# Allegro board rt1064_brkout_new_mem_layout.brd (continued)
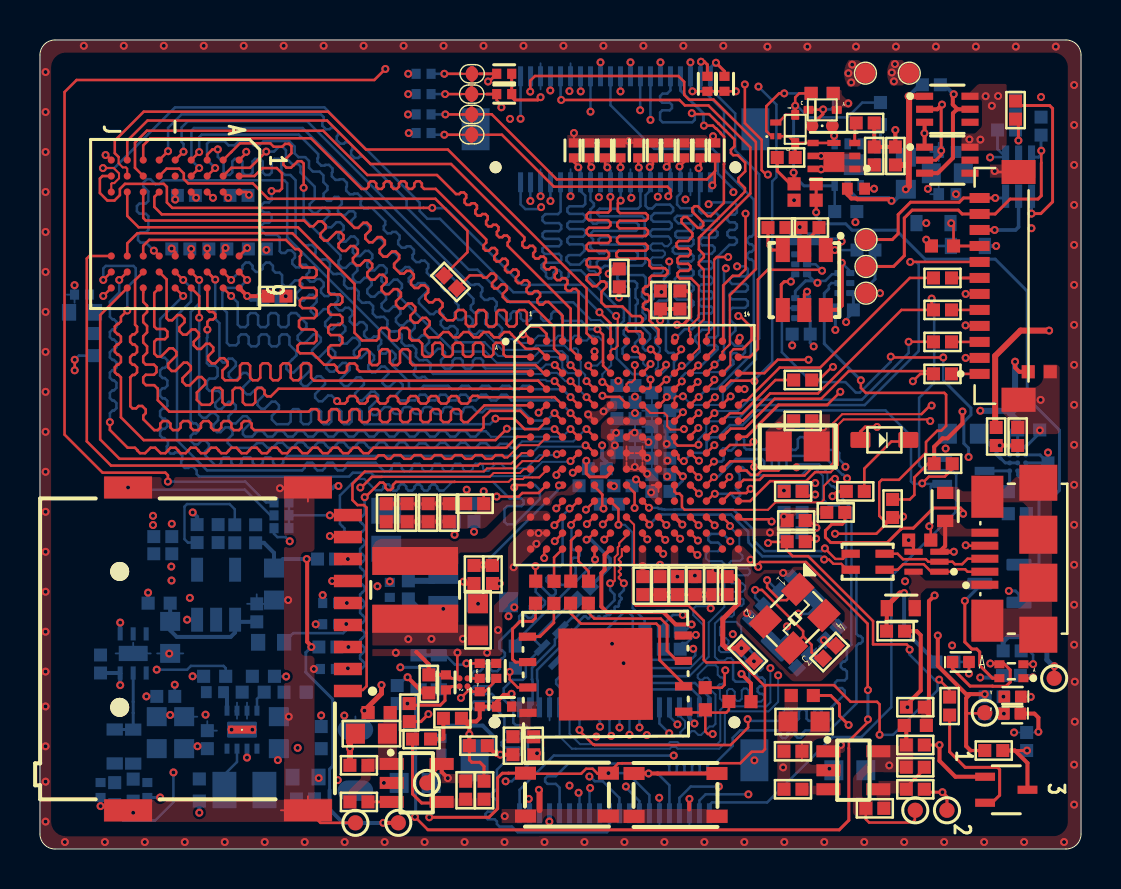
[diagram p0: board, top side]
## Routing (per net, layer and track width the routed paths; a pad name or vN(x,y) marks a point on that pad's centre or on a via; arc(x,y) is an arc through that point) (continued)
  BOTTOM w0.127: v1(14.87,22.41) 14.59,22.69 14.41,22.69 14.13,22.4 13.95,22.4 13.77,22.58 13.77,22.76 14.26,23.26 14.26,23.43 14.05,23.65 13.87,23.65 13.37,23.16 13.19,23.16 13.05,23.3 13.05,23.48 13.51,23.94 13.51,24.17 13.36,24.33 13.18,24.33 12.69,23.84 12.51,23.84 12.33,24.02 12.33,24.2 12.62,24.48 12.62,24.48 12.84,24.7 12.84,24.87 12.48,25.23 12.48,25.62 12.36,25.74 12.1,25.74 11.97,25.62 11.97,25.27 11.85,25.15 11.59,25.15 11.47,25.27 11.47,25.61 11.34,25.74 11.08,25.74 10.95,25.62 10.95,25.27 10.82,25.15 10.57,25.15 10.44,25.27 10.44,25.62 10.32,25.74 10.06,25.74 9.94,25.62 9.94,25.32 9.81,25.2 9.48,25.2 9.35,25.32 9.35,26.84 9.13,27.07 9.13,27.85 9.35,28.07 10.01,28.07 10.07,28.13 10.07,28.17 v1(10.37,28.47)
SEMC_D1: length 34.2
  TOP w0.127: U9.B9 v1(9.57,27.67) ; U7.F3 v1(25.75,21.81)
  BOTTOM w0.127: v1(9.57,27.67) 9.9,27.34 9.9,26.24 10.03,26.11 10.28,26.11 10.41,26.23 10.41,26.69 10.53,26.81 10.79,26.81 10.92,26.69 10.92,26.23 11.04,26.11 11.3,26.11 11.42,26.23 11.42,26.69 11.55,26.81 11.8,26.81 11.93,26.69 11.93,26.23 12.06,26.11 12.31,26.11 12.44,26.23 12.44,26.69 12.57,26.81 12.82,26.81 12.95,26.69 12.95,26.68 13.34,26.29 13.34,26.11 12.9,25.67 12.9,25.49 13.08,25.31 13.26,25.31 13.7,25.75 13.87,25.75 14.05,25.57 14.05,25.39 13.61,24.95 13.61,24.77 13.79,24.59 13.97,24.59 14.41,25.03 14.59,25.03 14.77,24.85 14.77,24.68 14.33,24.24 14.33,24.06 14.51,23.88 14.69,23.88 15.13,24.32 15.31,24.32 15.49,24.14 15.49,23.96 15.05,23.52 15.05,23.34 15.23,23.16 15.41,23.16 15.85,23.6 16.03,23.6 16.21,23.42 16.21,23.24 15.77,22.8 15.77,22.62 15.95,22.44 16.13,22.44 16.57,22.88 16.75,22.88 16.92,22.71 16.92,22.51 16.48,22.07 16.48,21.89 16.66,21.71 16.84,21.71 17.25,22.11 17.45,22.11 arc(17.58,22.06) 17.63,21.94 arc(17.68,21.82) 17.8,21.77 17.96,21.77 arc(18.08,21.82) 18.13,21.94 arc(18.19,22.06) 18.31,22.11 18.47,22.11 arc(18.59,22.06) 18.64,21.94 arc(18.69,21.82) 18.82,21.77 18.98,21.77 arc(19.1,21.82) 19.15,21.94 arc(19.2,22.06) 19.32,22.11 19.48,22.11 arc(19.61,22.06) 19.66,21.94 arc(19.71,21.82) 19.83,21.77 19.99,21.77 arc(20.12,21.82) 20.17,21.94 arc(20.22,22.06) 20.34,22.11 20.5,22.11 arc(20.62,22.06) 20.67,21.94 arc(20.73,21.82) 20.85,21.77 21.01,21.77 arc(21.13,21.82) 21.18,21.94 arc(21.23,22.06) 21.36,22.11 21.63,22.11 21.76,21.99 21.76,21.98 21.88,21.85 22.14,21.85 22.31,22.03 24.05,22.03 24.64,21.44 25.36,21.44 25.73,21.81 v1(25.75,21.81)
SEMC_D2: length 32.2
  TOP w0.127: U9.B8 v1(9.57,28.47) ; U7.F4 v1(26.55,21.81)
  BOTTOM w0.127: v1(9.57,28.47) 10.13,29.03 10.13,29.18 10.3,29.34 10.48,29.34 10.64,29.18 10.64,29.03 10.81,28.87 10.99,28.87 11.15,29.03 11.15,29.18 11.31,29.34 11.49,29.34 11.66,29.18 11.66,28.97 11.78,28.84 11.99,28.84 12.12,28.71 12.12,28.28 12.24,28.16 12.47,28.16 12.76,28.45 12.94,28.45 13.12,28.27 13.12,28.09 12.83,27.8 12.83,27.62 13.01,27.44 13.19,27.44 13.48,27.73 13.66,27.73 13.84,27.55 13.84,27.37 13.55,27.08 13.55,26.9 13.73,26.72 13.91,26.72 14.2,27.01 14.38,27.01 14.56,26.83 14.56,26.65 14.27,26.36 14.27,26.18 14.45,26 14.63,26 14.92,26.29 15.1,26.29 15.28,26.11 15.28,25.93 14.99,25.64 14.99,25.46 15.17,25.28 15.35,25.28 15.64,25.57 15.82,25.57 16,25.39 16,25.21 15.71,24.92 15.71,24.74 15.89,24.56 16.07,24.56 16.36,24.85 16.54,24.85 16.72,24.67 16.72,24.49 16.43,24.2 16.43,24.02 16.61,23.84 16.79,23.84 17.08,24.13 17.26,24.13 17.44,23.95 17.44,23.77 17.15,23.48 17.15,23.31 17.33,23.13 17.5,23.13 17.79,23.42 17.97,23.42 18.15,23.24 18.15,23.06 17.86,22.77 17.86,22.59 18.01,22.44 18.77,22.44 18.89,22.57 18.89,22.6 19.02,22.73 19.28,22.73 19.4,22.6 19.4,22.57 19.53,22.44 19.78,22.44 19.91,22.57 19.91,22.6 20.04,22.73 20.29,22.73 20.42,22.6 20.42,22.57 20.55,22.44 20.8,22.44 20.93,22.57 20.93,22.6 21.05,22.73 21.31,22.73 21.43,22.6 21.43,22.57 21.56,22.44 21.82,22.44 21.94,22.57 21.94,22.6 22.07,22.73 22.32,22.73 22.45,22.6 22.45,22.57 22.58,22.44 22.83,22.44 22.96,22.57 22.96,22.6 23.09,22.73 23.34,22.73 23.47,22.6 23.47,22.57 23.59,22.44 25.94,22.44 26.55,21.83 v1(26.55,21.81)
SEMC_D3: length 32.4
  TOP w0.127: U7.G4 v1(26.55,21.01) ; v1(8.38,25.98) 8.38,26.38 8.49,26.49 8.66,26.49 8.77,26.6 8.77,26.76 8.66,26.87 8.49,26.87 8.38,26.98 8.38,28.06 U9.C9
  BOTTOM w0.102: 26.53,21.01 26.15,20.62 22.57,20.62 22.43,20.76
  BOTTOM w0.127: v1(26.55,21.01) 26.53,21.01 ; 22.43,20.76 22.43,20.77 22.31,20.9 22.05,20.9 21.93,20.77 21.93,20.76 21.8,20.63 21.54,20.63 21.42,20.76 21.42,20.77 21.29,20.9 21.04,20.9 20.91,20.77 20.91,20.76 20.78,20.63 20.53,20.63 20.4,20.76 20.4,20.77 20.27,20.9 20.02,20.9 19.89,20.77 19.89,20.76 19.77,20.63 19.51,20.63 19.39,20.76 19.39,20.77 19.26,20.9 19,20.9 18.88,20.77 18.88,20.76 18.75,20.63 18.5,20.63 18.37,20.76 18.37,20.77 18.24,20.9 17.99,20.9 17.86,20.77 17.86,20.76 17.73,20.63 17.48,20.63 17.35,20.76 17.35,20.77 17.23,20.9 16.97,20.9 16.85,20.77 16.85,20.76 16.72,20.63 16.46,20.63 16.34,20.76 16.34,20.77 16.21,20.9 15.96,20.9 15.83,20.77 15.83,20.76 15.7,20.63 15.45,20.63 15.32,20.76 15.32,20.77 15.19,20.9 14.94,20.9 14.81,20.77 14.81,20.76 14.69,20.63 14.43,20.63 14.31,20.76 14.31,20.77 14.18,20.9 13.92,20.9 13.8,20.77 13.8,20.76 13.67,20.63 13.42,20.63 13.29,20.76 13.29,20.77 13.16,20.9 12.91,20.9 12.78,20.77 12.78,20.76 12.65,20.63 12.4,20.63 12.27,20.76 12.27,20.77 12.15,20.9 11.89,20.9 11.77,20.77 11.77,20.76 11.64,20.63 11.38,20.63 11.26,20.76 11.26,20.77 11.13,20.9 10.88,20.9 10.75,20.77 10.75,20.76 10.62,20.63 10.27,20.63 10.15,20.75 10.15,20.93 10.52,21.29 10.52,21.47 10.34,21.65 10.16,21.65 9.8,21.29 9.62,21.29 9.44,21.47 9.44,21.65 9.8,22.01 9.8,22.19 9.62,22.37 9.44,22.37 9.08,22.01 8.9,22.01 8.77,22.14 8.77,22.32 9.07,22.61 9.07,22.79 8.94,22.92 8.48,22.92 8.35,23.04 8.35,23.41 8.48,23.54 8.76,23.54 8.89,23.66 8.89,24.06 8.76,24.18 8.48,24.18 8.35,24.31 8.35,25.57 8.38,25.59 v1(8.38,25.98)
SEMC_D4: length 32.9
  TOP w0.127: v1(22.79,21.53) 23.73,21.53 24.25,21.01 24.95,21.01 U7.F2 ; 8.77,28.47 U9.C8 8.39,28.87 v1(8.77,28.49)
  BOTTOM w0.127: v1(22.79,21.53) 22.52,21.25 16.23,21.25 16.1,21.38 16.1,21.88 15.97,22.01 15.72,22.01 15.59,21.88 15.59,21.38 15.47,21.25 15.21,21.25 15.09,21.38 15.09,21.88 14.96,22.01 14.7,22.01 14.58,21.88 14.58,21.38 14.45,21.25 14.2,21.25 14.07,21.38 14.07,21.88 13.94,22.01 13.69,22.01 13.56,21.88 13.56,21.38 13.43,21.25 13.18,21.25 13.05,21.38 13.05,21.88 12.93,22.01 12.67,22.01 12.55,21.88 12.55,21.38 12.42,21.25 11.84,21.25 11.6,21.49 11.6,21.67 11.96,22.02 11.96,22.2 11.78,22.38 11.6,22.38 11.25,22.03 11.07,22.03 10.89,22.21 10.89,22.39 11.24,22.74 11.24,22.92 11.06,23.1 10.88,23.1 10.53,22.75 10.35,22.75 10.17,22.93 10.17,23.11 10.52,23.46 10.52,23.64 10.34,23.82 10.16,23.82 9.81,23.46 9.63,23.46 9.45,23.64 9.45,23.82 9.8,24.18 9.8,24.36 9.62,24.54 9.44,24.54 9.25,24.34 9.15,24.34 8.98,24.51 8.98,26.31 8.77,26.52 v1(8.77,28.49)
SEMC_D5: length 32.2
  TOP w0.127: v1(7.97,26.58) 7.97,27.67 U9.D9 ; U7.G5 v1(27.35,21.01)
  BOTTOM w0.1: v1(27.35,21.01) 27.31,21.01
  BOTTOM w0.102: 23.96,20.2 23.96,20.22 24.13,20.39 26.69,20.39 27.31,21.01
  BOTTOM w0.127: 23.96,20.2 23.83,20.07 23.58,20.07 23.37,20.27 23.02,20.27 22.81,20.07 22.56,20.07 22.33,20.3 22.03,20.3 21.8,20.07 21.54,20.07 21.29,20.32 21.04,20.32 20.78,20.07 20.53,20.07 20.28,20.32 20.02,20.32 19.77,20.07 19.51,20.07 19.29,20.29 18.97,20.29 18.75,20.07 18.5,20.07 18.37,20.2 18.37,20.22 18.24,20.35 17.99,20.35 17.86,20.22 17.86,20.2 17.73,20.07 17.48,20.07 17.35,20.2 17.35,20.22 17.23,20.35 16.97,20.35 16.85,20.22 16.85,20.2 16.72,20.07 16.46,20.07 16.34,20.2 16.34,20.22 16.21,20.35 15.96,20.35 15.83,20.22 15.83,20.2 15.7,20.07 15.45,20.07 15.32,20.2 15.32,20.22 15.19,20.35 14.94,20.35 14.81,20.22 14.81,20.2 14.69,20.07 14.43,20.07 14.31,20.2 14.31,20.22 14.18,20.35 13.92,20.35 13.8,20.22 13.8,20.2 13.67,20.07 13.42,20.07 13.29,20.2 13.29,20.22 13.16,20.35 12.91,20.35 12.78,20.22 12.78,20.2 12.65,20.07 12.4,20.07 12.15,20.32 11.89,20.32 11.64,20.07 11.38,20.07 11.15,20.31 10.86,20.31 10.62,20.07 9.64,20.07 9.4,20.32 9.4,20.5 9.63,20.73 9.63,20.91 9.45,21.09 9.27,21.09 9.04,20.86 8.86,20.86 8.68,21.03 8.68,21.21 8.92,21.45 8.92,21.63 8.74,21.81 8.56,21.81 8.32,21.57 8.14,21.57 7.97,21.75 v1(7.97,26.58)
SEMC_D6: length 32.9
  TOP w0.127: U9.D8 v1(7.97,28.47) ; v1(27.31,20.19) 27.36,20.19 U7.H5
  BOTTOM w0.102: 24.49,19.67 24.95,20.13 27.24,20.13 v1(27.31,20.19)
  BOTTOM w0.127: v1(7.97,28.47) 7.97,27.29 7.54,26.87 7.54,21.42 7.67,21.3 7.8,21.3 7.93,21.17 7.93,20.91 7.8,20.79 7.67,20.79 7.54,20.66 7.54,20.42 7.72,20.24 7.9,20.24 8.09,20.43 8.27,20.43 8.45,20.25 8.45,20.07 8.26,19.88 8.26,19.7 8.77,19.2 8.95,19.2 9.07,19.31 9.07,19.47 9.19,19.59 9.45,19.59 9.58,19.47 9.58,19.31 9.69,19.2 9.97,19.2 10.08,19.31 10.08,19.47 10.21,19.59 10.52,19.59 10.65,19.47 10.65,19.32 10.77,19.2 11.03,19.2 11.15,19.32 11.15,19.47 11.28,19.59 11.54,19.59 11.66,19.47 11.66,19.32 11.79,19.2 12.05,19.2 12.17,19.32 12.17,19.47 12.37,19.67 24.49,19.67
SEMC_D7: length 33
  TOP w0.127: U9.E9 v1(7.17,27.67) ; U7.H4 v1(26.55,19.41)
  BOTTOM w0.1: 25.13,19.37 26.51,19.37 v1(26.55,19.41)
  BOTTOM w0.102: 25.13,19.37 24.42,18.65 16.91,18.65
  BOTTOM w0.127: v1(7.17,27.67) 6.01,26.51 6.01,24.7 6.14,24.58 6.25,24.58 6.38,24.45 6.38,24.2 6.25,24.07 6.14,24.07 6.01,23.94 6.01,23.69 6.14,23.56 6.25,23.56 6.38,23.43 6.38,23.18 6.25,23.05 6.14,23.05 6.01,22.93 6.01,22.67 6.14,22.54 6.25,22.54 6.38,22.42 6.38,22.16 6.25,22.04 6.14,22.04 6.01,21.91 6.01,21.66 6.14,21.53 6.25,21.53 6.38,21.4 6.38,21.15 6.25,21.02 6.14,21.02 6.01,20.89 6.01,20.69 6.14,20.56 6.22,20.56 6.4,20.38 6.4,20.2 6.35,20.14 6.35,19.96 6.53,19.78 6.71,19.78 6.76,19.84 6.94,19.84 7.12,19.66 7.12,19.48 7.07,19.42 7.07,19.25 7.25,19.07 7.43,19.07 7.48,19.12 7.66,19.12 7.84,18.94 7.84,18.76 7.97,18.64 15.47,18.64 15.65,18.82 16.56,18.82 16.73,18.65 16.91,18.65
SEMC_D8: length 32.3
  TOP w0.127: v1(27.89,26.01) 28.17,25.73 28.17,24.34 28.18,24.34 28.18,24.18 U7.C6 ; U9.E1 v1(7.18,34.88)
  BOTTOM w0.127: v1(27.89,26.01) 27.5,26.01 27.09,26.42 26.22,26.42 26.09,26.55 26.09,26.76 25.97,26.89 25.71,26.89 25.59,26.76 25.59,26.55 25.46,26.42 25.2,26.42 25.08,26.55 25.08,26.76 24.95,26.89 24.7,26.89 24.57,26.76 24.57,26.55 24.44,26.42 24.19,26.42 24.06,26.55 24.06,26.76 23.94,26.89 23.68,26.89 23.55,26.76 23.55,26.55 23.43,26.42 23.3,26.42 22.79,26.93 22.79,27.11 22.85,27.18 22.85,27.36 22.67,27.54 22.49,27.54 22.43,27.47 22.25,27.47 22.07,27.65 22.07,27.83 22.14,27.9 22.14,28.08 21.96,28.26 21.78,28.26 21.74,28.22 21.56,28.22 13.37,36.4 7.4,36.4 7.08,36.09 7.08,35.37 7.18,35.27 v1(7.18,34.88)
SEMC_D9: length 32.7
  TOP w0.09: 27.44,24.12 v1(27.44,24.19)
  TOP w0.127: U9.D2 v1(7.97,34.07) ; U7.C5 27.44,24.12
  BOTTOM w0.102: 23.86,25.32 24.58,25.32 24.94,25.68 25.33,25.68 25.43,25.58 25.43,25.54 25.53,25.44 25.74,25.44 25.84,25.54 25.84,25.58 25.94,25.68 26.14,25.68 26.24,25.58 26.24,25.54 26.35,25.44 26.55,25.44 26.65,25.54 26.65,25.58 26.75,25.68 26.96,25.68 27.06,25.58 27.06,25.54 27.16,25.44 27.36,25.44 27.46,25.54 27.46,25.58 27.57,25.68 27.67,25.68 27.68,25.67 27.7,25.67 27.74,25.63 27.94,25.63 28.18,25.39 28.18,24.48 27.88,24.19 v1(27.44,24.19)
  BOTTOM w0.11: 23.66,25.51 23.86,25.32
  BOTTOM w0.115: 23.48,25.51 23.66,25.51
  BOTTOM w0.12: 23.36,25.39 23.48,25.51
  BOTTOM w0.127: 23.36,25.39 23.18,25.39 23,25.57 23,25.75 23.13,25.87 23.13,26.05 22.95,26.23 22.77,26.23 22.64,26.1 22.46,26.1 22.28,26.28 22.28,26.46 22.41,26.59 22.41,26.77 22.23,26.95 22.05,26.95 21.92,26.82 21.74,26.82 21.56,27 21.56,27.18 21.69,27.31 21.69,27.52 13.14,36.07 7.7,36.07 7.58,35.94 7.58,34.46 v1(7.97,34.07)
SEMC_D10: length 32.6
  TOP w0.127: U7.D5 v1(27.35,23.41) ; U9.D1 v1(7.97,34.87)
  BOTTOM w0.102: 22.18,25.92 23.12,24.97 24.61,24.97 24.83,25.19 26.25,25.19 26.49,24.95 26.62,24.95 26.71,25.04 26.84,25.04 26.93,24.95 26.93,24.83 26.83,24.73 26.83,24.61 27.06,24.37 27.06,23.94 27.28,23.72 27.28,23.49 27.35,23.43 v1(27.35,23.41)
  BOTTOM w0.127: v1(7.97,34.87) 7.97,35.61 8.09,35.74 12.95,35.74 13.92,34.77 13.92,34.59 13.89,34.55 13.89,34.37 14.07,34.19 14.25,34.19 14.28,34.23 14.46,34.23 14.64,34.05 14.64,33.87 14.61,33.83 14.61,33.65 14.79,33.47 14.97,33.47 15,33.51 15.18,33.51 15.36,33.33 15.36,33.15 15.32,33.12 15.32,32.94 15.5,32.76 15.68,32.76 15.72,32.79 15.9,32.79 16.08,32.61 16.08,32.43 16.04,32.4 16.04,32.22 16.22,32.04 16.4,32.04 16.44,32.07 16.62,32.07 17.28,31.41 17.28,31.23 17.21,31.16 17.21,30.98 17.39,30.8 17.57,30.8 17.64,30.87 17.82,30.87 18,30.69 18,30.51 17.92,30.44 17.92,30.26 18.1,30.08 18.28,30.08 18.35,30.15 18.53,30.15 18.71,29.97 18.71,29.79 18.64,29.72 18.64,29.54 18.82,29.36 19,29.36 19.07,29.43 19.25,29.43 19.43,29.25 19.43,29.08 19.36,29 19.36,28.83 19.54,28.65 19.72,28.65 19.79,28.72 19.97,28.72 20.15,28.54 20.15,28.36 20.08,28.29 20.08,28.11 20.26,27.93 20.44,27.93 20.51,28 20.69,28 20.87,27.82 20.87,27.64 20.77,27.54 20.77,27.36 20.94,27.2 20.94,27.02 20.75,26.83 20.75,26.65 20.93,26.47 21.11,26.47 21.3,26.66 21.48,26.66 21.66,26.48 21.66,26.3 21.47,26.11 21.47,25.93 21.65,25.75 21.83,25.75 22,25.92 22.18,25.92
SEMC_D11: length 34.2
  TOP w0.127: U9.C2 v1(8.77,34.07) ; U7.C4 v1(26.55,24.21)
  BOTTOM w0.102: 26.4,24.64 26.13,24.91 25,24.91 24.76,24.66 22.94,24.66 22.25,25.35
  BOTTOM w0.127: v1(8.77,34.07) 8.36,34.48 8.36,35.28 8.48,35.41 9.23,35.41 9.44,35.2 9.74,35.2 9.95,35.41 10.48,35.41 10.68,35.21 10.99,35.21 11.19,35.41 12.47,35.41 12.75,35.14 12.75,34.8 12.94,34.61 13.27,34.61 13.46,34.42 13.46,34.08 13.65,33.89 13.99,33.89 14.18,33.7 14.18,33.36 14.39,33.16 14.39,32.98 14.19,32.79 14.19,32.61 14.37,32.43 14.55,32.43 14.75,32.62 14.93,32.62 15.1,32.44 15.1,32.26 14.91,32.07 14.91,31.89 15.09,31.71 15.27,31.71 15.46,31.9 15.68,31.9 15.77,31.81 15.77,31.63 15.58,31.44 15.58,31.26 15.76,31.08 15.94,31.08 16.13,31.27 16.31,31.27 16.49,31.09 16.49,30.91 16.3,30.72 16.3,30.54 16.48,30.36 16.66,30.36 16.85,30.55 17.03,30.55 17.21,30.37 17.21,30.19 17.02,30 17.02,29.82 17.2,29.64 17.38,29.64 17.57,29.83 17.75,29.83 17.93,29.65 17.93,29.47 17.74,29.28 17.74,29.1 17.92,28.92 18.1,28.92 18.29,29.11 18.47,29.11 18.65,28.93 18.65,28.75 18.46,28.56 18.46,28.38 18.64,28.2 18.81,28.2 18.92,28.31 19.24,28.31 19.42,28.13 19.42,27.95 18.96,27.5 18.96,27.32 19.52,26.76 19.7,26.76 19.82,26.89 20,26.89 20.18,26.71 20.18,26.53 20.06,26.4 20.06,26.22 20.24,26.04 20.42,26.04 20.53,26.16 20.71,26.16 20.89,25.98 20.89,25.8 20.78,25.68 20.78,25.5 20.93,25.35 22.25,25.35 ; 26.4,24.64 26.4,24.36 v1(26.55,24.21)
SEMC_D12: length 32.3
  TOP w0.127: U7.D4 v1(26.55,23.41) ; U9.C1 8.37,34.74 8.63,35 v1(8.9,35)
  BOTTOM w0.102: v1(26.55,23.41) 26.29,23.41 25.88,23.82 25.57,23.82 25.51,23.76 19.68,23.76
  BOTTOM w0.127: v1(8.9,35) 8.9,34.63 9.19,34.34 9.19,33.9 9.37,33.72 9.5,33.72 9.62,33.85 9.62,34.4 9.75,34.53 10,34.53 10.13,34.4 10.13,33.85 10.26,33.72 10.51,33.72 10.64,33.85 10.64,34.4 10.77,34.53 11.02,34.53 11.15,34.4 11.15,33.85 11.27,33.72 11.47,33.72 11.6,33.85 11.6,34.4 11.73,34.53 11.95,34.53 12.08,34.4 12.08,33.9 12.26,33.72 12.53,33.72 12.79,33.46 12.79,30.65 13.24,30.2 13.42,30.2 13.44,30.22 13.62,30.22 13.8,30.04 13.8,29.86 13.78,29.84 13.78,29.66 13.96,29.48 14.14,29.48 14.15,29.5 14.33,29.5 14.51,29.32 14.51,29.14 14.5,29.12 14.5,28.94 14.68,28.76 14.86,28.76 14.87,28.78 15.05,28.78 15.23,28.6 15.23,28.42 15.22,28.41 15.22,28.23 15.4,28.05 15.58,28.05 15.59,28.06 15.77,28.06 15.95,27.88 15.95,27.7 15.94,27.69 15.94,27.51 16.12,27.33 16.3,27.33 16.31,27.34 16.49,27.34 16.67,27.16 16.67,26.98 16.66,26.97 16.66,26.79 16.84,26.61 17.01,26.61 17.03,26.62 17.21,26.62 17.39,26.44 17.39,26.26 17.37,26.25 17.37,26.07 17.55,25.89 17.73,25.89 17.75,25.9 17.93,25.9 18.11,25.73 18.11,25.55 18.09,25.53 18.09,25.35 18.27,25.17 18.45,25.17 18.47,25.19 18.65,25.19 18.83,25.01 18.83,24.83 18.81,24.81 18.81,24.63 18.99,24.45 19.17,24.45 19.19,24.47 19.36,24.47 19.54,24.29 19.54,24.11 19.53,24.09 19.53,23.91 19.68,23.76
SEMC_D13: length 32.2
  TOP w0.127: U9.B2 9.58,34.08 10.51,34.08 v1(11.32,34.89) ; U7.E5 v1(27.35,22.61)
  BOTTOM w0.102: 22.3,24.89 22.86,24.32 24.91,24.32 25.2,24.62 25.87,24.62 25.9,24.59 25.92,24.59 26.14,24.37 26.14,24.08 26.41,23.8 26.75,23.8 26.97,23.58 26.97,22.99 v1(27.35,22.61)
  BOTTOM w0.127: v1(11.32,34.89) 11.71,34.89 11.95,35.13 12.14,35.13 12.31,34.96 12.31,34.57 12.61,34.27 12.92,34.27 13.04,34.15 13.04,33.84 13.75,33.13 13.75,32.51 13.5,32.26 13.5,32 13.68,31.82 13.86,31.82 14.12,32.08 14.3,32.08 14.47,31.9 14.47,31.72 14.22,31.46 14.22,31.28 14.4,31.1 14.58,31.1 14.83,31.36 15.01,31.36 15.19,31.18 15.19,31 14.94,30.74 14.94,30.56 15.12,30.38 15.3,30.38 15.55,30.64 15.73,30.64 15.91,30.46 15.91,30.28 15.66,30.02 15.66,29.85 15.84,29.67 16.01,29.67 16.27,29.92 16.45,29.92 16.63,29.74 16.63,29.56 16.37,29.31 16.37,29.13 16.55,28.95 16.73,28.95 16.99,29.2 17.17,29.2 17.35,29.02 17.35,28.84 17.09,28.59 17.09,28.41 17.27,28.23 17.45,28.23 17.71,28.48 17.89,28.48 18.11,28.26 18.11,28.08 17.94,27.91 17.94,27.67 20.73,24.89 22.3,24.89
SEMC_D14: length 33.1
  TOP w0.127: v1(13.19,33.08) 13.19,34.29 13.08,34.41 12.9,34.41 12.67,34.19 12.67,34.19 12.57,34.09 12.33,34.09 12.18,34.23 12.18,34.4 12.31,34.53 12.31,34.54 12.58,34.81 12.58,35.16 12.47,35.28 12.45,35.28 12.27,35.28 12.12,35.13 11.7,35.13 11.53,35.3 10.01,35.3 9.57,34.87 9.57,34.87 U9.B1 ; U7.C3 26.15,23.83 v1(25.76,24.21)
  BOTTOM w0.102: 22.29,24.04 25.12,24.04 25.32,24.24 25.74,24.24 v1(25.76,24.21)
  BOTTOM w0.127: v1(13.19,33.08) 13.19,31.54 15.04,29.7 15.04,29.52 14.94,29.43 14.94,29.25 15.12,29.07 15.3,29.07 15.52,29.29 15.7,29.29 15.88,29.11 15.88,28.93 15.66,28.71 15.66,28.53 15.84,28.35 16.02,28.35 16.24,28.57 16.42,28.57 16.6,28.39 16.6,28.21 16.38,27.99 16.38,27.81 16.56,27.63 16.74,27.63 16.96,27.85 17.14,27.85 17.32,27.68 17.32,27.5 17.1,27.27 17.1,27.1 17.28,26.92 17.46,26.92 17.68,27.14 17.86,27.14 18.04,26.96 18.04,26.78 17.82,26.56 17.82,26.38 18,26.2 18.17,26.2 18.4,26.42 18.58,26.42 18.75,26.24 18.75,26.06 18.53,25.84 18.53,25.66 18.71,25.48 18.89,25.48 19.11,25.7 19.29,25.7 19.47,25.52 19.47,25.34 19.27,25.14 19.27,24.96 19.44,24.78 19.67,24.78 19.91,25.02 20.09,25.02 20.27,24.84 20.27,24.66 20.07,24.46 20.07,24.23 20.27,24.03 20.52,24.03 20.65,24.16 20.65,24.42 20.78,24.55 21.03,24.55 21.16,24.42 21.16,24.16 21.28,24.03 21.54,24.03 21.66,24.16 21.66,24.42 21.79,24.55 22.05,24.55 22.17,24.42 22.17,24.16 22.29,24.04
SEMC_D15: length 32.2
  TOP w0.127: U7.E4 v1(26.55,22.61) ; v1(11.59,32.92) 11.98,32.92 12.11,33.04 12.11,33.81 11.85,34.06 11.13,34.06 10.73,33.67 U9.A2
  BOTTOM w0.127: v1(26.55,22.61) 26.27,22.88 26.27,22.9 26.17,23 24.66,23 24.49,23.17 24.15,23.17 23.99,23 23.65,23 23.48,23.17 23.14,23.17 22.97,23 22.63,23 22.46,23.17 22.12,23.17 21.95,23 21.61,23 21.44,23.17 21.11,23.17 20.94,23 20.6,23 20.43,23.17 19.2,23.17 19.04,23.01 18.54,23.01 18.46,23.09 18.46,23.38 17.66,24.18 17.66,24.43 17.79,24.56 17.79,24.74 17.61,24.92 17.43,24.92 17.3,24.79 17.12,24.79 16.94,24.97 16.94,25.15 17.07,25.28 17.07,25.46 16.89,25.64 16.71,25.64 16.58,25.51 16.4,25.51 16.22,25.69 16.22,25.87 16.35,26 16.35,26.18 16.17,26.36 15.99,26.36 15.86,26.23 15.68,26.23 15.5,26.41 15.5,26.59 15.63,26.72 15.63,26.9 15.45,27.08 15.27,27.08 15.14,26.94 14.96,26.94 14.78,27.12 14.78,27.3 14.92,27.44 14.92,27.62 14.74,27.79 14.56,27.79 14.42,27.66 14.24,27.66 14.07,27.84 14.07,28.02 14.2,28.15 14.2,28.33 14.02,28.51 13.84,28.51 13.71,28.38 13.53,28.38 13.35,28.56 13.35,28.74 13.48,28.87 13.48,29.05 13.3,29.23 13.12,29.23 12.99,29.1 12.81,29.1 12.63,29.28 12.63,29.46 12.76,29.59 12.76,29.77 12.58,29.95 12.4,29.95 12.27,29.82 12.09,29.82 12,29.91 12,30.6 11.87,30.72 11.32,30.72 11.09,30.95 11.09,31.2 11.22,31.33 11.46,31.33 11.59,31.46 11.59,31.71 11.46,31.84 11.22,31.84 11.09,31.96 11.09,32.22 11.22,32.34 11.46,32.34 11.59,32.47 v1(11.59,32.92)
SEMC_DM0: length 33.2
  TOP w0.127: v1(25.86,19.75) 26.09,19.75 U7.H3 ; U9.E8 v1(7.17,28.47)
  BOTTOM w0.1: v1(25.86,19.75) 25.82,19.7 25,19.7 24.85,19.56
  BOTTOM w0.102: 18.74,19.28 19,19.28 19.12,19.16 19.12,19.03 19.25,18.9 19.51,18.9 19.63,19.03 19.63,19.16 19.76,19.28 20.01,19.28 20.14,19.16 20.14,19.03 20.27,18.9 20.52,18.9 20.65,19.03 20.65,19.16 20.78,19.28 21.03,19.28 21.16,19.16 21.16,19.03 21.28,18.9 21.54,18.9 21.66,19.03 21.66,19.16 21.79,19.28 22.05,19.28 22.17,19.16 22.17,19.03 22.29,18.91 22.44,18.91 22.81,19.28 23.06,19.28 23.3,19.05 24.34,19.05 24.85,19.56
  BOTTOM w0.127: v1(7.17,28.47) 7.56,28.08 7.56,27.4 6.86,26.69 6.86,20.44 8.36,18.94 13.12,18.94 13.25,19.07 13.25,19.2 13.37,19.32 13.63,19.32 13.75,19.2 13.75,19.07 13.88,18.94 14.14,18.94 14.26,19.07 14.26,19.2 14.39,19.32 14.64,19.32 14.77,19.2 14.77,19.07 14.9,18.94 15.15,18.94 15.28,19.07 15.28,19.2 15.41,19.32 16.79,19.32 17.22,18.9 17.47,18.9 17.6,19.03 17.6,19.16 17.73,19.28 17.98,19.28 18.11,19.16 18.11,19.03 18.24,18.9 18.49,18.9 18.62,19.03 18.62,19.16 18.74,19.28
SEMC_DM1: length 33.5
  TOP w0.127: v1(28.14,23.36) 28.21,23.36 28.55,23.03 U7.D6 ; U9.F1 v1(6.41,34.91)
  BOTTOM w0.102: v1(28.14,23.36) 28.14,23.75 28.58,24.2 28.58,25.91 28.03,26.46 27.57,26.46
  BOTTOM w0.127: 27.57,26.46 26.68,27.35 23.52,27.35 21.89,28.98 21.46,28.98 18.34,32.1 18.34,32.47 16.18,34.64 16,34.64 15.93,34.57 15.75,34.57 15.57,34.75 15.57,34.93 15.64,35 15.64,35.18 15.46,35.36 15.28,35.36 15.21,35.29 15.03,35.29 14.85,35.47 14.85,35.65 14.92,35.72 14.92,35.9 14.74,36.08 14.56,36.08 14.49,36.01 14.31,36.01 14.13,36.19 14.13,36.37 14.2,36.43 14.2,36.61 14.06,36.75 7.08,36.75 6.41,36.08 v1(6.41,34.91)
SEMC_RAS: length 32.4
  TOP w0.127: U7.D2 24.93,23.43 13.71,23.43 13.57,23.58 13.57,24.17 13.44,24.3 13.18,24.3 13.06,24.17 13.06,23.58 12.93,23.45 12.68,23.45 12.55,23.58 12.55,24.17 12.42,24.3 12.17,24.3 12.04,24.17 12.04,23.58 11.91,23.45 11.66,23.45 11.53,23.58 11.53,24.17 11.41,24.3 11.15,24.3 11.03,24.17 11.03,23.58 10.9,23.45 10.64,23.45 10.52,23.58 10.52,24.17 10.39,24.3 10.14,24.3 10.01,24.17 10.01,23.58 9.88,23.45 9.26,23.45 9.13,23.58 9.13,23.94 9.39,24.2 9.39,24.38 9.21,24.56 9.03,24.56 8.77,24.3 8.59,24.3 8.41,24.48 8.41,24.66 8.67,24.91 8.67,25.09 8.49,25.27 8.31,25.27 8.05,25.02 7.87,25.02 7.69,25.2 7.69,25.38 7.95,25.63 7.95,25.81 7.77,25.99 7.59,25.99 7.34,25.74 7.16,25.74 6.98,25.91 6.98,26.09 7.23,26.35 7.23,26.53 7.05,26.71 6.87,26.71 6.62,26.45 6.44,26.45 6.34,26.55 6.34,28.5 U9.F8
SEMC_WE: length 32.5
  TOP w0.127: U7.D1 24.53,23.03 11.93,23.03 11.55,22.64 11.36,22.64 11.24,22.77 11.24,22.94 11.11,23.07 10.9,23.07 10.77,22.94 10.77,22.35 10.65,22.22 10.28,22.22 10.15,22.35 10.15,22.94 10.02,23.07 9.77,23.07 9.64,22.94 9.64,22.35 9.52,22.22 9.26,22.22 9.13,22.35 9.13,22.94 9.01,23.07 8.75,23.07 8.63,22.94 8.63,22.35 8.5,22.22 8.1,22.22 7.85,22.47 7.85,22.84 8.27,23.25 8.27,23.43 8.09,23.61 7.91,23.61 7.49,23.2 7.31,23.2 7.13,23.38 7.13,23.56 7.55,23.97 7.55,24.15 7.37,24.33 7.19,24.33 6.77,23.91 6.59,23.91 6.41,24.09 6.41,24.27 6.83,24.69 6.83,24.87 6.65,25.05 6.47,25.05 6.05,24.63 5.87,24.63 5.72,24.79 5.72,25.38 5.85,25.51 6.25,25.51 6.38,25.63 6.38,25.89 6.25,26.01 5.85,26.01 5.72,26.14 5.72,27.82 U9.F9
TCK: length 1.4
  TOP w0.127: R112.2 J4.3
TDI: length 1.4
  TOP w0.127: J4.5 R111.2
TDO: length 1.4
  TOP w0.127: R113.2 J4.1
TMS: length 1.4
  TOP w0.15: R110.2 J4.7
UART1_RXD: length 35.9
  TOP w0.102: 39.57,18.86 39.93,19.22 39.93,21.21 40.21,21.49 44.4,21.49
  TOP w0.127: U7.L14 35.54,17.41 36.54,18.41 38.34,18.41 38.79,18.86 39.57,18.86 ; 44.4,21.49 44.48,21.41
  TOP w0.147: v1(49.62,31.79) 50.08,31.79 50.67,32.38 50.67,37.05 50.53,37.2 49.04,37.2 R107.2
  TOP w0.15: 44.48,21.41 v1(44.55,21.41)
  SIG1 w0.15: v1(44.55,21.41) 46.39,23.26 49.36,23.26 50.02,23.92 50.02,31.39 v1(49.62,31.79)
  BOTTOM w0.147: v1(49.62,31.79) U16.1
UART1_TXD: length 32.5
  TOP w0.102: 44.11,21.75 40.15,21.75 39.7,21.31
  TOP w0.11: 38.26,18.68 38.69,19.12 39.5,19.12 39.7,19.32 39.7,21.31
  TOP w0.127: U7.K14 35.21,18.47 36.01,18.47 36.22,18.68 38.26,18.68 ; v1(44.62,22.18) 44.54,22.18 44.11,21.75
  SIG1 w0.127: v1(47.55,34.6) 48.36,34.6 48.63,34.32 48.63,32.65 49.14,32.15 49.14,31.54 v1(49.62,31.06) 49.71,30.96 49.71,24.11 49.18,23.58 46.02,23.58 v1(44.62,22.18)
  BOTTOM w0.127: v1(47.55,34.6) 47.56,34.61 U16.4 47.92,35.02 R108.2
USB_OTG1_DN: length 12.3
  TOP w0.119: L6.2 40.39,13.97 40.1,14.27 39.7,14.27 39.49,14.48 v1(39.24,14.48)
  TOP w0.147: v1(30.5,16.23) 30.5,16.28 30.17,16.61 U7.M8
  BOTTOM w0.119: 31.14,16.74 31.74,16.74 31.75,16.73 31.77,16.73 ; 31,16.73 30.99,16.73 30.94,16.68
  BOTTOM w0.131: v1(30.5,16.23) 30.93,16.66 30.93,16.67 30.94,16.68 ; v1(39.24,14.48) 39.08,14.65 36.15,14.65 35.47,15.33 35.47,15.42 35.44,15.44 35.44,15.87 34.58,16.73 31.77,16.73 ; 31,16.73 31,16.74 31.14,16.74
